# Altium PCB radxa_cm4_io_v1.10.PcbDoc (part 1 of 8) (continued)
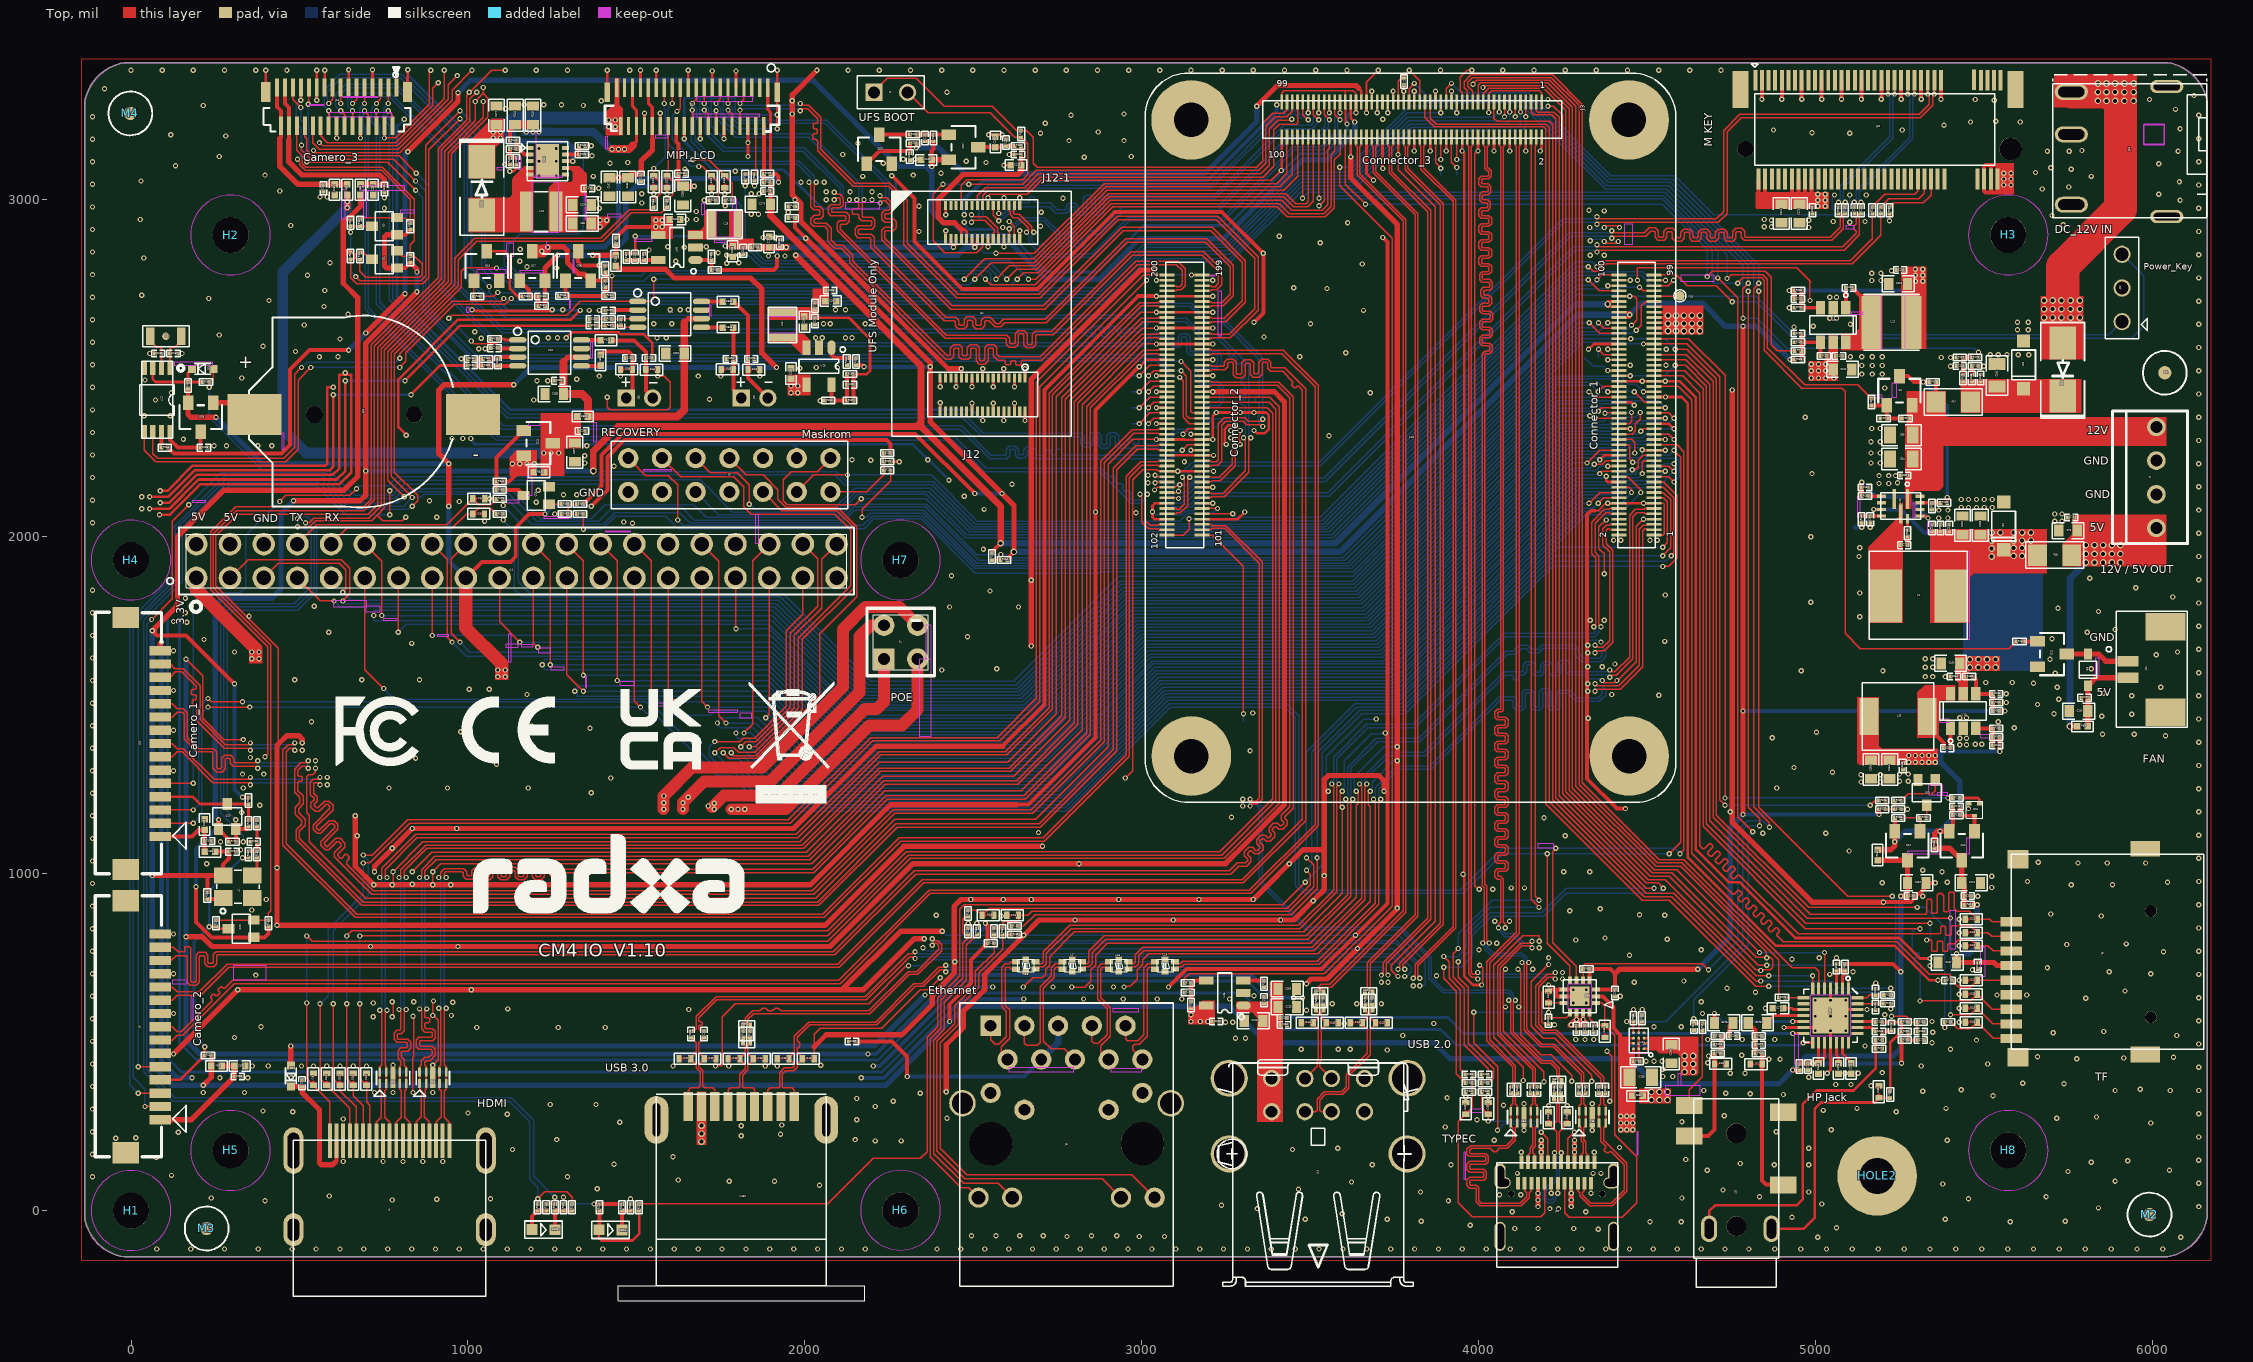
[diagram p0: Top view]
## Components (designator, comment, footprint, x,y, rotation, side; value= is the part's Value field where it differs from the comment) (continued)
Q25 "SOT_323" SOT_323 1202.76,2122.05 r90 top
R1 "R0201" R0201 5346.46,2458.66 r180 top
R2 "R0201" R0201 5165.35,2399.61 r270 top
R3 "R0201" R0201 1960.63,2944.88 r0 top
R4 "R0201" R0201 1960.63,2980.32 r0 top
R5 "R0201" R0201 5265.75,2350.39 r0 top
R6 "R0201" R0201 5200.79,2350.39 r0 top
R7 "R0201" R0201 4946.85,2551.18 r0 top
R8 "R0201" R0201 651.57,2832.68 r90 top
R9 "R0201" R0201 828.74,2822.83 r270 top
R10 "R0201" R0201 679.13,2832.68 r90 top
R11 "R0201" R0201 651.57,2931.1 r90 top
R12 "R0201" R0201 828.74,2921.26 r270 top
R13 "R0201" R0201 679.13,2931.1 r270 top
R14 "R0201" R0201 5604.33,1688.98 r0 top
R15 "R0201" R0201 2641.73,3194.88 r270 top
R16 "R0201" R0201 169.29,2448.82 r90 top
R17 "FB1206" FB1206 5407.48,2399.61 r180 top
R18 "FB1206" FB1206 5708.66,1944.88 r0 top
R19 "R0201" R0201 4663.39,545.28 r270 top
R26 "R0201" R0201 5187.01,505.91 r180 top
R27 "R0201" R0201 5187.01,480.32 r180 top
R29 "R0201" R0201 5212.6,639.76 r180 top
R31 "FB0201" FB0201 5450.79,907.48 r0 top
R72 "R0201" R0201 3777.56,3350.39 r90 top
R109 "R0201" R0201 5212.6,614.17 r180 top
R115 "R0201" R0201 5271.65,2009.84 r270 top
R164 "R0402" R0402 5183.07,1055.12 r90 top
R175 "R0201" R0201 5379.92,2100.39 r0 top
R176 "R0201" R0201 5437.01,2470.47 r270 top
R177 "R0201" R0201 5344.49,2090.55 r90 top
R178 "R0201" R0201 5472.44,2531.5 r180 top
R179 "R0201" R0201 5427.17,2531.5 r0 top
R181 "R0201" R0201 5135.83,2051.18 r90 top
R182 "R0201" R0201 5145.67,2120.08 r180 top
R185 "R0201" R0201 5454.72,1584.65 r0 top
R187 "R0201" R0201 5535.43,1405.51 r180 top
R201 "R0201" R0201 5472.44,2505.91 r180 top
R202 "R0201" R0201 5535.43,1507.87 r0 top
R204 "R0201" R0201 5535.43,1482.28 r180 top
R205 "R0201" R0201 5535.43,1431.1 r0 top
R206 "R0201" R0201 5244.09,1165.35 r180 top
R208 "R0201" R0201 5318.9,1165.35 r0 top
R209 "R0201" R0201 5244.09,1216.54 r180 top
R210 "R0201" R0201 5244.09,1190.94 r0 top
R211 "R0201" R0201 228.35,460.63 r0 top
R212 "R0201" R0201 407.48,852.36 r270 top
R213 "R0201" R0201 5417.32,1173.23 r180 top
R214 "R0201" R0201 2590.55,1931.1 r0 top
R215 "R0201" R0201 2555.12,1940.94 r90 top
R216 "R0201" R0201 1257.87,9.84 r90 top
R217 "R0201" R0201 1283.46,9.84 r90 top
R218 "R0201" R0201 2244.09,2196.85 r0 top
R219 "R0201" R0201 1232.28,9.84 r270 top
R220 "R0201" R0201 2244.09,2248.03 r0 top
R221 "R0201" R0201 1206.69,9.84 r270 top
R222 "R0201" R0201 1309.06,9.84 r90 top
R223 "R0201" R0201 2244.09,2222.44 r0 top
R224 "R0201" R0201 1389.76,9.84 r270 top
R225 "R0201" R0201 1456.69,9.84 r90 top
R226 "R0201" R0201 1482.28,9.84 r90 top
R227 "R0201" R0201 1507.87,9.84 r90 top
R228 "R0201" R0201 5391.73,559.06 r0 top
R229 "R0201" R0201 1887.8,3076.77 r180 top
R230 "R0201" R0201 5417.32,1224.41 r0 top
R231 "R0201" R0201 5352.36,1084.65 r270 top
R232 "R0201" R0201 1407.48,2795.28 r90 top
R233 "R0201" R0201 1887.8,3051.18 r180 top
R234 "R0201" R0201 1417.32,2714.57 r180 top
R235 "R0201" R0201 1407.48,2750 r90 top
R236 "R0201" R0201 1338.58,3133.86 r180 top
R237 "R0201" R0201 2586.61,828.74 r90 top
R238 "R0201" R0201 2551.18,793.31 r0 top
R239 "R0201" R0201 2622.05,818.9 r180 top
R240 "R0201" R0201 1133.86,3175.2 r180 top
R241 "R0201" R0201 2561.02,828.74 r270 top
R242 "R0201" R0201 2622.05,844.49 r0 top
R243 "R0201" R0201 1279.53,2714.57 r0 top
R244 "R0603" R0603 1139.76,3250 r90 top
R245 "R0603" R0603 1192.91,3250 r90 top
R246 "R0201" R0201 1338.58,3159.45 r180 top
R247 "R0201" R0201 1124.02,3114.17 r90 top
R248 "R0201" R0201 2484.25,828.74 r90 top
R249 "R0201" R0201 1133.86,3149.61 r0 top
R250 "R0201" R0201 1822.83,3066.93 r90 top
R251 "R0201" R0201 1850.39,3066.93 r270 top
R252 "R0201" R0201 2484.25,881.89 r270 top
R253 "R0201" R0201 2509.84,828.74 r90 top
R254 "R0402" R0402 1438.98,2818.9 r90 top
R255 "R0201" R0201 1438.98,2877.95 r270 top
R256 "R0201" R0201 1551.18,2988.19 r90 top
R257 "R0201" R0201 1218.5,2685.04 r180 top
R258 "R0201" R0201 1590.55,2988.19 r90 top
R259 "R0201" R0201 1726.38,2998.03 r0 top
R260 "R0201" R0201 1773.62,2998.03 r0 top
R261 "R0201" R0201 1171.26,2712.6 r180 top
R262 "R0201" R0201 1027.56,2712.6 r180 top
R263 "R0201" R0201 100.39,2263.78 r180 top
R264 "R0201" R0201 226.38,935.04 r90 top
R265 "R0201" R0201 222.44,2458.66 r180 top
R266 "R0201" R0201 251.97,852.36 r270 top
R267 "R0201" R0201 374.02,1149.61 r90 top
R268 "R0201" R0201 374.02,1057.09 r270 top
R269 "R0201" R0201 348.43,1057.09 r270 top
R270 "R0201" R0201 348.43,1216.54 r90 top
R271 "R0201" R0201 301.18,1094.49 r180 top
R272 "R0201" R0201 348.43,1149.61 r90 top
R273 "R0201" R0201 1094.49,2112.2 r0 top
R274 "R0201" R0201 1094.49,2066.93 r0 top
R276 "R0201" R0201 4899.61,631.89 r0 top
R277 "R0201" R0201 3145.67,610.24 r90 top
R278 "R0201" R0201 5023.62,2535.43 r0 top
R279 "R0201" R0201 3135.83,675.2 r180 top
R280 "R0201" R0201 3135.83,647.64 r180 top
R281 "R0201" R0201 3362.2,673.23 r270 top
R282 "R0201" R0201 1816.93,523.62 r90 top
R283 "R0201" R0201 1836.61,523.62 r90 top
R284 "R0201" R0201 2029.53,2685.04 r90 top
R285 "R0201" R0201 4946.85,2730.32 r0 top
R286 "R0201" R0201 4708.66,517.72 r0 top
R287 "R0201" R0201 2133.86,2403.54 r180 top
R288 "R0201" R0201 4946.85,2525.59 r0 top
R289 "R0201" R0201 2133.86,2482.28 r180 top
R290 "R0201" R0201 4946.85,2679.13 r180 top
R291 "R0201" R0201 5263.78,531.5 r0 top
R293 "R0201" R0201 5066.93,2968.5 r90 top
R294 "R0201" R0201 5086.61,2968.5 r90 top
R295 "R0201" R0201 5167.32,2968.5 r270 top
R296 "R0201" R0201 5192.91,2968.5 r270 top
R297 "R0201" R0201 5218.5,2968.5 r270 top
R298 "R0201" R0201 4946.85,2576.77 r0 top
R299 "R0201" R0201 3663.39,622.05 r270 top
R300 "R0201" R0201 3517.72,622.05 r270 top
R301 "R0201" R0201 3683.07,622.05 r270 top
R302 "R0201" R0201 3537.4,622.05 r270 top
R303 "R0201" R0201 2151.57,2519.69 r90 top
R304 "R0201" R0201 5263.78,505.91 r180 top
R305 "R0201" R0201 5263.78,559.06 r0 top
R315 "R0201" R0201 2124.02,2519.69 r270 top
R316 "R0201" R0201 4708.66,492.13 r180 top
R317 "R0201" R0201 4830.71,517.72 r0 top
R318 "R0201" R0201 2068.9,2403.54 r180 top
R319 "R0201" R0201 5311.02,559.06 r0 top
R320 "R0201" R0201 2631.89,3159.45 r0 top
R321 "R0201" R0201 2381.89,3183.07 r90 top
R322 "R0201" R0201 2320.87,3192.91 r180 top
R323 "R0201" R0201 2320.87,3167.32 r180 top
R326 "R0201" R0201 5196.85,1216.54 r0 top
R327 "R0201" R0201 5196.85,1190.94 r0 top
R328 "R0201" R0201 1852.36,2858.27 r0 top
R329 "R0201" R0201 1470.47,2830.71 r270 top
R330 "R0201" R0201 1521.65,2830.71 r90 top
R331 "R0201" R0201 1732.28,2791.34 r180 top
R332 "R0201" R0201 1722.44,2830.71 r90 top
R333 "R0201" R0201 1078.74,2586.61 r180 top
R334 "R0201" R0201 1053.15,2527.56 r0 top
R335 "R0201" R0201 1053.15,2507.87 r0 top
R336 "R0201" R0201 1417.32,2645.67 r0 top
R337 "R0201" R0201 1417.32,2625.98 r0 top
R338 "R0201" R0201 4017.72,377.95 r180 top
R339 "R0201" R0201 3970.47,377.95 r0 top
R340 "R0201" R0201 4017.72,352.36 r0 top
R341 "R0201" R0201 3970.47,352.36 r180 top
R342 "R0402" R0402 1210.63,2190.94 r180 top
R343 "R0201" R0201 4244.09,358.27 r270 top
R344 "R0201" R0201 1094.49,2163.39 r0 top
R345 "R0201" R0201 4224.41,358.27 r270 top
R346 "R0201" R0201 4094.49,358.27 r270 top
R347 "R0201" R0201 4114.17,358.27 r270 top
R348 "R0201" R0201 4297.24,358.27 r270 top
R349 "R0201" R0201 4316.93,358.27 r270 top
R350 "R0201" R0201 1094.49,2137.8 r0 top
R351 "R0201" R0201 4318.9,716.54 r180 top
R352 "R0402" R0402 4470.47,340.55 r180 top
R353 "R0201" R0201 4468.5,442.91 r0 top
R354 "R0201" R0201 4484.25,570.87 r90 top
R355 "R0201" R0201 4458.66,570.87 r90 top
R356 "R0201" R0201 1332.68,2066.93 r180 top
R357 "R0201" R0201 1332.68,2096.46 r180 top
R358 "R0201" R0201 1287.4,2096.46 r0 top
R359 "R0201" R0201 1287.4,2066.93 r180 top
TP7 "TP_0R70" TP_0R70 5551.18,1980.32 r90 bottom
U10 "QFN12_0D5_2" QFN12_0D5_2 5251.97,2090.55 r270 top
U13 "SOT23_6" SOT23_6 5437.01,1482.28 r0 top
U18 "SON10_0D5_1" SON10_0D5_1 895.67,393.7 r0 top
U19 "SON10_0D5_1" SON10_0D5_1 777.56,393.7 r0 top
U20 "FPC_39P_0D3_LIE" FPC_39P_0D3_LIE 1889.76,3331.89 r90 top
U21 "DFN10_0D5_3" DFN10_0D5_3 1236.22,3114.17 r270 top
U22 "MSOP8_0D65_3" MSOP8_0D65_3 116.14,2500 r270 top
U25 "SOT23_5" SOT23_5 3246.06,645.67 r90 top
U26 "SOT23_5" SOT23_5 2041.34,2505.91 r180 top
U27 "QFN28_0D45_4" QFN28_0D45_4 5043.31,578.74 r270 top
U29 "SOT23_6" SOT23_6 5051.18,2627.95 r180 top
U30 "SOT23_5" SOT23_5 1620.08,2858.27 r90 top
U31 "MSOP8_0D65_5D0" MSOP8_0D65_5D0 1242.13,2545.28 r0 top
U32 "MSOP8_0D65_5D0" MSOP8_0D65_5D0 1598.43,2659.45 r0 top
U33 "BTB_SMD100X2_0D4_STA" BTB_SMD100X2_0D4_STA 3796.06,2292.91 r0 top
U34 "SON10_0D5_1" SON10_0D5_1 4133.86,277.56 r0 top
U35 "SON10_0D5_1" SON10_0D5_1 4336.61,277.56 r0 top
U36 "MLP14_0D5_2D5" MLP14_0D5_2D5 4299.21,635.83 r180 top
U37 "WLCSP12_0D4_1D5" WLCSP12_0D4_1D5 4490.16,480.32 r180 top
USB1 "USB_SM9_2D0_LIE" USB_SM9_2D0_LIE 1811.02,308.66 r0 top
Y1 "OSC_SM4_3D2X2D5" OSC_SM4_3D2X2D5 316.93,960.63 r0 top
Y3 "OSC_SM2_3D2X1D5" OSC_SM2_3D2X1D5 149.61,2594.49 r180 top

## Footprints (in the part's own frame and the unit in brackets; to place one, negate y for a bottom-side part, rotate by r counter-clockwise, add the part's x,y. Pads: shape width x height; smd on the part's side, far side on the other; paste and mask are expansions set on the pad)
AUDIO_SM6_LIE [mm]
  round 1.5 hole 1.5: 1(0,0) 8(7,0)
  oval 2x1.2 / inner oval 1.6x0.8 / far side oval 2x1.2 hole 0.686 slot 1.499 at 0 deg: 2(-0.2,2.05) 5(-0.2,-2.65)
  rect 1.3x2 smd: 3(6.8,3.55) 4(9.1,3.55) 6(3.1,-3.55) 7(8.6,-3.55)
  silkscreen extent -4.6,-3.2 9.6,3.2
BAT_SM2_12X2 [mm]
  rect 3.099x4.064 smd: 1(0,8.348) 2(0,-8.134)
  round 1.2 hole 1.2 unplated: 3(0,-3.685)
  round 1.3 hole 1.3 unplated: 4(0,3.815)
  silkscreen extent -6.99,-6.61 7.47,8.76
BTB_SMD100_0D4_STA_FX [mm]
  rect 1.14x0.2 smd: 1(0.09,-1.5) 2(2.73,-1.5) 3(0.09,-1.9) 4(2.73,-1.9) 5(0.09,-2.3) 6(2.73,-2.3) 7(0.09,-2.7) 8(2.73,-2.7) 9(0.09,-3.1) 10(2.73,-3.1) 11(0.09,-3.5) 12(2.73,-3.5) 13(0.09,-3.9) 14(2.73,-3.9) 15(0.09,-4.3) 16(2.73,-4.3) 17(0.09,-4.7) 18(2.73,-4.7) 19(0.09,-5.1) 20(2.73,-5.1) 21(0.09,-5.5) 22(2.73,-5.5) 23(0.09,-5.9) 24(2.73,-5.9) 25(0.09,-6.3) 26(2.73,-6.3) 27(0.09,-6.7) 28(2.73,-6.7) 29(0.09,-7.1) 30(2.73,-7.1) 31(0.09,-7.5) 32(2.73,-7.5) 33(0.09,-7.9) 34(2.73,-7.9) 35(0.09,-8.3) 36(2.73,-8.3) 37(0.09,-8.7) 38(2.73,-8.7) 39(0.09,-9.1) 40(2.73,-9.1) 41(0.09,-9.5) 42(2.73,-9.5) 43(0.09,-9.9) 44(2.73,-9.9) 45(0.09,-10.3) 46(2.73,-10.3) 47(0.09,-10.7) 48(2.73,-10.7) 49(0.09,-11.1) 50(2.73,-11.1) 51(0.09,-11.5) 52(2.73,-11.5) 53(0.09,-11.9) 54(2.73,-11.9) 55(0.09,-12.3) 56(2.73,-12.3) 57(0.09,-12.7) 58(2.73,-12.7) 59(0.09,-13.1) 60(2.73,-13.1) 61(0.09,-13.5) 62(2.73,-13.5) 63(0.09,-13.9) 64(2.73,-13.9) 65(0.09,-14.3) 66(2.73,-14.3) 67(0.09,-14.7) 68(2.73,-14.7) 69(0.09,-15.1) 70(2.73,-15.1) 71(0.09,-15.5) 72(2.73,-15.5) 73(0.09,-15.9) 74(2.73,-15.9) 75(0.09,-16.3) 76(2.73,-16.3) 77(0.09,-16.7) 78(2.73,-16.7) 79(0.09,-17.1) 80(2.73,-17.1) 81(0.09,-17.5) 82(2.73,-17.5) 83(0.09,-17.9) 84(2.73,-17.9) 85(0.09,-18.3) 86(2.73,-18.3) 87(0.09,-18.7) 88(2.73,-18.7) 89(0.09,-19.1) 90(2.73,-19.1) 91(0.09,-19.5) 92(2.73,-19.5) 93(0.09,-19.9) 94(2.73,-19.9) 95(0.09,-20.3) 96(2.73,-20.3) 97(0.09,-20.7) 98(2.73,-20.7) 99(0.09,-21.1) 100(2.73,-21.1)
  silkscreen extent 0,-22.54 2.84,0.01
BTB_SMD100X2_0D4_STA [mm]
  rect 1.14x0.2 smd: 1(18.39,-7.32) 2(15.73,-7.32) 3(18.39,-6.92) 4(15.73,-6.92) 5(18.39,-6.52) 6(15.73,-6.52) 7(18.39,-6.12) 8(15.73,-6.12) 9(18.39,-5.72) 10(15.73,-5.72) 11(18.39,-5.32) 12(15.73,-5.32) 13(18.39,-4.92) 14(15.73,-4.92) 15(18.39,-4.52) 16(15.73,-4.52) 17(18.39,-4.12) 18(15.73,-4.12) 19(18.39,-3.72) 20(15.73,-3.72) 21(18.39,-3.32) 22(15.73,-3.32) 23(18.39,-2.92) 24(15.73,-2.92) 25(18.39,-2.52) 26(15.73,-2.52) 27(18.39,-2.12) 28(15.73,-2.12) 29(18.39,-1.72) 30(15.73,-1.72) 31(18.39,-1.32) 32(15.73,-1.32) 33(18.39,-0.92) 34(15.73,-0.92) 35(18.39,-0.52) 36(15.73,-0.52) 37(18.39,-0.12) 38(15.73,-0.12) 39(18.39,0.28) 40(15.73,0.28) 41(18.39,0.68) 42(15.73,0.68) 43(18.39,1.08) 44(15.73,1.08) 45(18.39,1.48) 46(15.73,1.48) 47(18.39,1.88) 48(15.73,1.88) 49(18.39,2.28) 50(15.73,2.28) 51(18.39,2.68) 52(15.73,2.68) 53(18.39,3.08) 54(15.73,3.08) 55(18.39,3.48) 56(15.73,3.48) 57(18.39,3.88) 58(15.73,3.88) 59(18.39,4.28) 60(15.73,4.28) 61(18.39,4.68) 62(15.73,4.68) 63(18.39,5.08) 64(15.73,5.08) 65(18.39,5.48) 66(15.73,5.48) 67(18.39,5.88) 68(15.73,5.88) 69(18.39,6.28) 70(15.73,6.28) 71(18.39,6.68) 72(15.73,6.68) 73(18.39,7.08) 74(15.73,7.08) 75(18.39,7.48) 76(15.73,7.48) 77(18.39,7.88) 78(15.73,7.88) 79(18.39,8.28) 80(15.73,8.28) 81(18.39,8.68) 82(15.73,8.68) 83(18.39,9.08) 84(15.73,9.08) 85(18.39,9.48) 86(15.73,9.48) 87(18.39,9.88) 88(15.73,9.88) 89(18.39,10.28) 90(15.73,10.28) 91(18.39,10.68) 92(15.73,10.68) 93(18.39,11.08) 94(15.73,11.08) 95(18.39,11.48) 96(15.73,11.48) 97(18.39,11.88) 98(15.73,11.88) 99(18.39,12.28) 100(15.73,12.28) 101(-15.68,-7.32) 102(-18.32,-7.32) 103(-15.68,-6.92) 104(-18.32,-6.92) 105(-15.68,-6.52) 106(-18.32,-6.52) 107(-15.68,-6.12) 108(-18.32,-6.12) 109(-15.68,-5.72) 110(-18.32,-5.72) 111(-15.68,-5.32) 112(-18.32,-5.32) 113(-15.68,-4.92) 114(-18.32,-4.92) 115(-15.68,-4.52) 116(-18.32,-4.52) 117(-15.68,-4.12) 118(-18.32,-4.12) 119(-15.68,-3.72) 120(-18.32,-3.72) 121(-15.68,-3.32) 122(-18.32,-3.32) 123(-15.68,-2.92) 124(-18.32,-2.92) 125(-15.68,-2.52) 126(-18.32,-2.52) 127(-15.68,-2.12) 128(-18.32,-2.12) 129(-15.68,-1.72) 130(-18.32,-1.72) 131(-15.68,-1.32) 132(-18.32,-1.32) 133(-15.68,-0.92) 134(-18.32,-0.92) 135(-15.68,-0.52) 136(-18.32,-0.52) 137(-15.68,-0.12) 138(-18.32,-0.12) 139(-15.68,0.28) 140(-18.32,0.28) 141(-15.68,0.68) 142(-18.32,0.68) 143(-15.68,1.08) 144(-18.32,1.08) 145(-15.68,1.48) 146(-18.32,1.48) 147(-15.68,1.88) 148(-18.32,1.88) 149(-15.68,2.28) 150(-18.32,2.28) 151(-15.68,2.68) 152(-18.32,2.68) 153(-15.68,3.08) 154(-18.32,3.08) 155(-15.68,3.48) 156(-18.32,3.48) 157(-15.68,3.88) 158(-18.32,3.88) 159(-15.68,4.28) 160(-18.32,4.28) 161(-15.68,4.68) 162(-18.32,4.68) 163(-15.68,5.08) 164(-18.32,5.08) 165(-15.68,5.48) 166(-18.32,5.48) 167(-15.68,5.88) 168(-18.32,5.88) 169(-15.68,6.28) 170(-18.32,6.28) 171(-15.68,6.68) 172(-18.32,6.68) 173(-15.68,7.08) 174(-18.32,7.08) 175(-15.68,7.48) 176(-18.32,7.48) 177(-15.68,7.88) 178(-18.32,7.88) 179(-15.68,8.28) 180(-18.32,8.28) 181(-15.68,8.68) 182(-18.32,8.68) 183(-15.68,9.08) 184(-18.32,9.08) 185(-15.68,9.48) 186(-18.32,9.48) 187(-15.68,9.88) 188(-18.32,9.88) 189(-15.68,10.28) 190(-18.32,10.28) 191(-15.68,10.68) 192(-18.32,10.68) 193(-15.68,11.08) 194(-18.32,11.08) 195(-15.68,11.48) 196(-18.32,11.48) 197(-15.68,11.88) 198(-18.32,11.88) 199(-15.68,12.28) 200(-18.32,12.28)
  round 6 / inner round 3 / far side round 6 hole 2.6: 201(16.51,-23.98) 202(-16.49,-23.98) 203(-16.51,23.97) 204(16.49,23.97)
  silkscreen extent -19.99,-27.48 20.03,27.5
C0201 [mm]
  rect 0.3x0.3 smd: 1(-0.25,0) 2(0.25,0)
  silkscreen extent -0.5,-0.25 0.5,0.25
C0402 [mm]
  rect 0.5x0.5 smd: 1(-0.4,0) 2(0.4,0)
  silkscreen extent -0.8,-0.4 0.8,0.4
C0603 [mm]
  rect 0.7x0.9 smd: 1(-0.7,0) 2(0.7,0)
  silkscreen extent -1.2,-0.6 1.2,0.6
C0805 [mm]
  rect 0.9x1.3 smd: 1(-0.85,0) 2(0.85,0)
  silkscreen extent -1.5,-0.8 1.5,0.8
CML_SM4_0D6_1D5 [mm]
  rect 0.5x0.3 smd: 1(-0.625,-0.275) 2(-0.625,0.275) 3(0.625,0.275) 4(0.625,-0.275)
  silkscreen extent -1,-0.6 1.03,0.6
CML_SM6_0D55_1 [mm]
  rect 0.6x0.4 smd: 1(1.48,0.01) 2(1.48,-0.54) 3(0,0) 4(0,-0.55)
  rect 0.5x0.4 smd: 5(0.74,0.2) 6(0.74,-0.74)
  silkscreen extent 0.14,-0.76 1.5,0.21
CON_HDMI_TH_19P_STA [mil]
  rect 11.81x102.36 smd: 1(-180,-177.5) 2(-160.31,-177.5) 3(-140.63,-177.5) 4(-120.94,-177.5) 5(-101.26,-177.5) 6(-81.57,-177.5) 7(-61.89,-177.5) 8(-42.2,-177.5) 9(-22.52,-177.5) 10(-2.83,-177.5) 11(16.85,-177.5) 12(36.54,-177.5) 13(56.22,-177.5) 14(75.91,-177.5) 15(95.59,-177.5) 16(115.28,-177.5) 17(134.96,-177.5) 18(154.65,-177.5) 19(174.33,-177.5)
  oval 59.06x137.8 hole 35 slot 106 at 90 deg: 20(282.6,-147.58) 21(-288.27,-147.58)
  oval 59.06x98.43 hole 35 slot 66 at 90 deg: 22(-288.27,87.07) 23(282.6,87.07)
  silkscreen extent -287,-178 283,284
CON_SM2_1D25_STA [mm]
  rect 0.8x1.6 smd: 1(-1.25,0) 2(0,0)
  rect 2.1x3 smd: 3(-3.85,2.82) 4(2.6,2.82)
  silkscreen extent -5,-1.65 3.72,4.47
CON_TH1X2_2D0_STA [mm]
  rect 1.3x1.3 hole 0.8 mask+0.075: 1(0,0)
  round 1.3 hole 0.8 mask+0.075: 2(0,-2)
CON_TH1X2_2D54_STA_PZ [mm]
  rect 1.3x1.3 / inner rect 1.5x1.5 / far side rect 1.5x1.5 hole 0.9 mask+0.1: 1(0,0)
  round 1.3 / inner round 1.5 / far side round 1.5 hole 0.9 mask+0.1: 2(0,-2.54)
  silkscreen extent -1.25,-3.79 1.25,1.25
CON_TH1X3_2D54_STA [mm]
  round 1.3 / inner round 1.3 / far side round 1.6 hole 1: 1(-2.54,0) 2(0,0) 3(2.54,0)
  silkscreen extent -3.81,-1.9 3.81,1.27
CON_TH1X4_2D54_SATA [mm]
  round 1.4 hole 0.9: 1(0.01,0) 2(2.55,0) 3(5.09,0) 4(7.63,0)
  silkscreen extent -1.19,-3.3 8.81,2.36
CON_TH20X2_2D54_STA [mm]
  round 1.7 / inner round 1.4 / far side round 1.7 hole 1.1: 1(-24.13,-1.27) 2(-24.13,1.27) 3(-21.59,-1.27) 4(-21.59,1.27) 5(-19.05,-1.27) 6(-19.05,1.27) 7(-16.51,-1.27) 8(-16.51,1.27) 9(-13.97,-1.27) 10(-13.97,1.27) 11(-11.43,-1.27) 12(-11.43,1.27) 13(-8.89,-1.27) 14(-8.89,1.27) 15(-6.35,-1.27) 16(-6.35,1.27) 17(-3.81,-1.27) 18(-3.81,1.27) 19(-1.27,-1.27) 20(-1.27,1.27) 21(1.27,-1.27) 22(1.27,1.27) 23(3.81,-1.27) 24(3.81,1.27) 25(6.35,-1.27) 26(6.35,1.27) 27(8.89,-1.27) 28(8.89,1.27) 29(11.43,-1.27) 30(11.43,1.27) 31(13.97,-1.27) 32(13.97,1.27) 33(16.51,-1.27) 34(16.51,1.27) 35(19.05,-1.27) 36(19.05,1.27) 37(21.59,-1.27) 38(21.59,1.27) 39(24.13,-1.27) 40(24.13,1.27)
  silkscreen extent -26.35,-3.84 25.43,2.54
CON_USB2D0_TH1X2_LIE [mm]
  round 1.3 / inner round 1.1 / far side round 1.3 hole 0.9: 1(3.18,3.5) 2(3.18,1) 3(3.18,-1) 4(3.18,-3.5) 5(5.68,3.5) 6(5.68,1) 7(5.68,-1) 8(5.68,-3.5)
  round 2.8 / inner round 2.8 / far side round 3.05 hole 2.3: 9(0,6.7) 10(0,-6.7) 11(5.7,6.7) 12(5.7,-6.7)
  silkscreen extent -9.97,-7.52 7.1,7.61
CONM_TH2X2_2D54_STA [mil]
  round 63 / inner round 50 / far side round 63 hole 35 mask+2: 1(100,-100) 2(100,0) 3(0,-100)
  rect 63x63 hole 35 mask+2: 4(0,0)
  silkscreen extent -50,-150 150,50
CONM_TH2X7_2D54_STA [mil]
  round 60 / inner round 45.28 / far side round 60 hole 35.43 mask+1.99: 1(-300,-50.39) 2(-300,49.61) 3(-200,-50.39) 4(-200,49.61) 5(-100,-50.39) 6(-100,49.61) 7(0,-50.39) 8(0,49.61) 9(100,-50.39) 10(100,49.61) 11(200,-50.39) 12(200,49.61) 13(300,-50.39) 14(300,49.61)
  silkscreen extent -351,-100 352,100
DC_TH5_12X10 [mm]
  oval 1.2x2.5 / inner oval 1.2x2.5 / far side oval 1.5x2.8 hole 0.787 slot 1.981 at 90 deg: 1(3.2,10.2) 2(-5.3,10.2) 3(0,10.2)
  oval 1x2.5 / inner oval 1x2.5 / far side oval 1.2x2.8 hole 0.584 slot 1.981 at 90 deg: 4(-6.2,3) 5(3.6,3)
  Top keep-out region: -0.759,4.741 0.741,4.741 0.741,3.241 -0.759,3.241 -0.759,4.741
  silkscreen extent -6.3,0 4.5,11.6
DFN10_0D5_3 [mm]
  rect 0.3x0.55 smd: 1(-1,-1.34) 2(-0.5,-1.34) 3(0,-1.34) 4(0.5,-1.34) 5(1,-1.34) 6(1,1.35) 7(0.5,1.35) 8(0,1.35) 9(-0.5,1.35) 10(-1,1.35)
  rect 2.6x1.75 smd: 11(0,0)
  silkscreen extent -1.48,-1.98 1.48,1.52
DO_214AC [mm]
  rect 2.5x2 smd mask+0.05: 1(-2,0) 2(2,0)
  silkscreen extent -3.54,-1.65 3.68,1.65
EMMC_SLOT_30P_34P [mm]
  rect 0.23x0.7 smd: 1(0,0) 2(0.4,0) 3(0.8,0) 4(1.2,0) 5(1.6,0) 6(2,0) 7(2.4,0) 8(2.8,0) 9(3.2,0) 10(3.6,0) 11(4,0) 12(4.4,0) 13(4.8,0) 14(5.2,0) 15(5.6,0) 16(6,0) 17(6.4,0) 18(6.4,2.5) 19(6,2.5) 20(5.6,2.5) 21(5.2,2.5) 22(4.8,2.5) 23(4.4,2.5) 24(4,2.5) 25(3.6,2.5) 26(3.2,2.5) 27(2.8,2.5) 28(2.4,2.5) 29(2,2.5) 30(1.6,2.5) 31(1.2,2.5) 32(0.8,2.5) 33(0.4,2.5) 34(0,2.5) 35(0.4,-13) 36(0.8,-13) 37(1.2,-13) 38(1.6,-13) 39(2,-13) 40(2.4,-13) 41(2.8,-13) 42(3.2,-13) 43(3.6,-13) 44(4,-13) 45(4.4,-13) 46(4.8,-13) 47(5.2,-13) 48(5.6,-13) 49(6,-13) 50(6,-10.5) 51(5.6,-10.5) 52(5.2,-10.5) 53(4.8,-10.5) 54(4.4,-10.5) 55(4,-10.5) 56(3.6,-10.5) 57(3.2,-10.5) 58(2.8,-10.5) 59(2.4,-10.5) 60(2,-10.5) 61(1.6,-10.5) 62(1.2,-10.5) 63(0.8,-10.5) 64(0.4,-10.5)
  silkscreen extent -3.47,-14.1 10.03,4.4